# KiCad board LED_Addrs.kicad_pcb (continued)
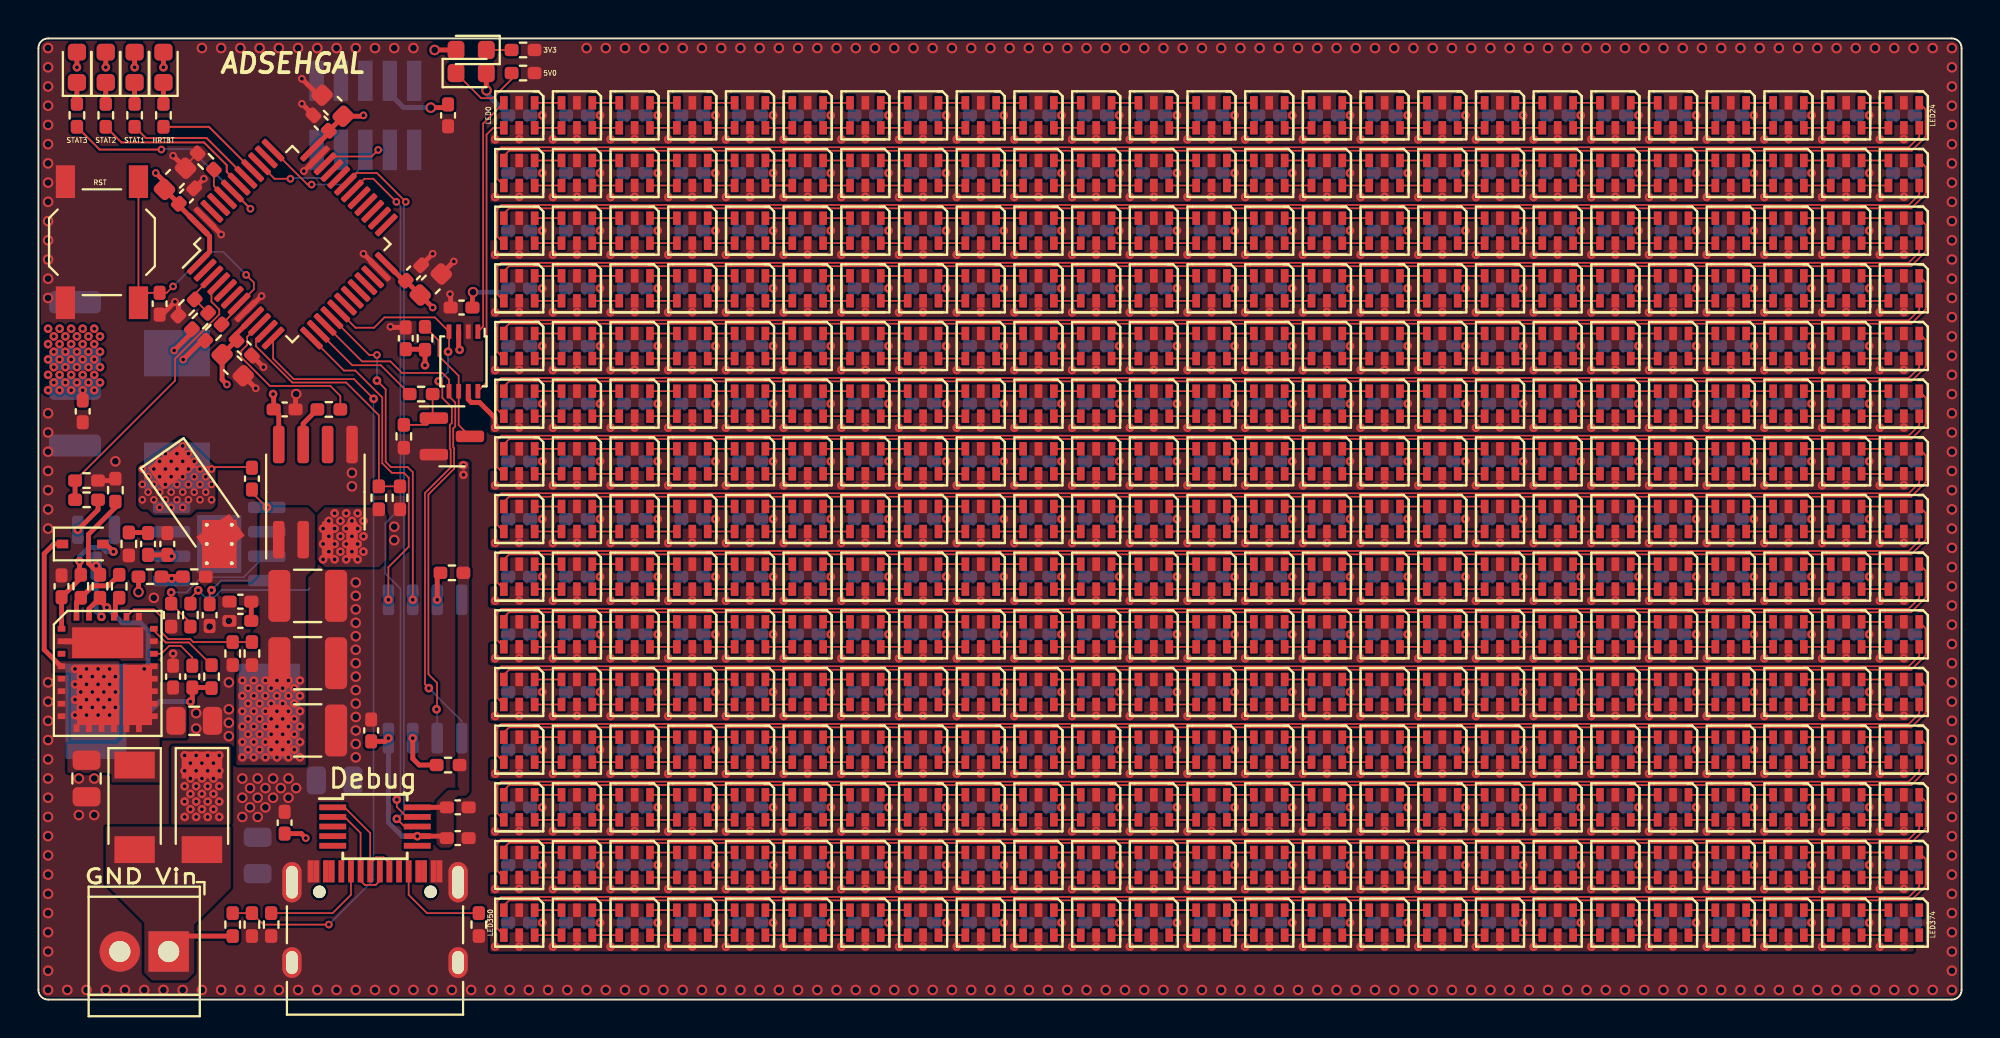
[diagram p0: board, top side]
## Placement (name value [footprint] x y rotation side) (continued)
R26  3K  [R_0402_1005Metric_Pad0.72x0.64mm_HandSolder]  3.2 21.5 270 top
R27  1K  [R_0402_1005Metric_Pad0.72x0.64mm_HandSolder]  10.1 18 90 top
R28  1K  [R_0402_1005Metric_Pad0.72x0.64mm_HandSolder]  4 26.5 270 top
R29  10K  [R_0402_1005Metric_Pad0.72x0.64mm_HandSolder]  2.5 26 180 top
R30  1.21R  [R_0402_1005Metric_Pad0.72x0.64mm_HandSolder]  2.2 21.5 90 top
R31  8K  [R_0402_1005Metric_Pad0.72x0.64mm_HandSolder]  10.1 3.9 270 top
R32  1K  [R_0402_1005Metric_Pad0.72x0.64mm_HandSolder]  17.7 26.1 270 top
R33  10K  [R_0402_1005Metric_Pad0.72x0.64mm_HandSolder]  4.2 21.5 270 top
R34  1K  [R_0402_1005Metric_Pad0.72x0.64mm_HandSolder]  2.5 27 180 top
R35  1K  [R_0402_1005Metric_Pad0.72x0.64mm_HandSolder]  11.1 3.9 90 top
R36  1K  [R_0402_1005Metric_Pad0.72x0.64mm_HandSolder]  18.8 26.1 90 top
R37  330R  [R_0402_1005Metric_Pad0.72x0.64mm_HandSolder]  25.2 48.2 0 top
SW1  SW_Push  [SW_SPST_TL3342]  3.3 39.4 90 top
U1  STM32F103CBTx  [LQFP-48_7x7mm_P0.5mm]  13.2 39.3 45 top
U2  CH340E  [MSOP-10_3x3mm_P0.5mm]  17.5 9 0 top
U3  TXB0102DCU  [VSSOP-8_2.4x2.1mm_P0.5mm]  22.1 33.2 270 top
U4  W25Q128JVS  [SOIC-8_5.23x5.23mm_P1.27mm]  20.1 17.2 270 bottom
U5  TPS54331  [SOIC-8-1EP_3.9x4.9mm_P1.27mm_EP2.29x3mm_ThermalVias]  9.4 23.7 180 bottom
U6  -  [MIC261201]  3.6 17.02 0 top
U7  TMCS1107A2BQDRQ1  [SOIC-8_3.9x4.9mm_P1.27mm]  14.4 26.4 90 top

## Library data of the parts
C399 C400 C413-C415 C418 = -: PN: C3225X5R1A336M200AC
D380 D381 D383 = -: PN: RB080LAM-30TR
D384 = -: PN: SD103AWS
L1 = -: PN: IHLM2525CZER6R8M01
L2 = -: PN: IHLP4040DZER1R0M11

## Footprints (pads in the part's own frame, mm; a bottom-side part is the same pattern mirrored in y, then rotated)
C_0402_1005Metric_Pad0.74x0.62mm_HandSolder
  rrect 0.735x0.62 smd: 1(-0.568,0) 2(0.568,0)
C_0603_1608Metric
  rrect 0.9x0.95 smd: 1(-0.775,0) 2(0.775,0)
C_0805_2012Metric
  rrect 1x1.45 smd: 1(-0.95,0) 2(0.95,0)
C_1210_3225Metric
  rrect 1.15x2.7 smd: 1(-1.475,0) 2(1.475,0)
D_SOD-128
  rect 1.4x2.1 smd: 1(-2.2,0) 2(2.2,0)
D_SOD-323
  rect 0.6x0.45 smd: 1(-1.05,0) 2(1.05,0)
L_Vishay_IHLP-2525
  rect 2.413x3.429 smd: 1(-2.921,0) 2(2.921,0)
L_Vishay_IHLP-4040
  rect 3.175x4.95 smd: 1(-4.508,0) 2(4.508,0)
LED_0603_1608Metric
  rrect 0.875x0.95 smd: 1(-0.787,0) 2(0.787,0)
LQFP-48_7x7mm_P0.5mm
  rrect 1.475x0.3 smd: 1(-4.162,2.75) 2(-4.162,2.25) 3(-4.162,1.75) 4(-4.162,1.25) 5(-4.162,0.75) 6(-4.162,0.25) 7(-4.162,-0.25) 8(-4.162,-0.75) 9(-4.162,-1.25) 10(-4.162,-1.75) 11(-4.162,-2.25) 12(-4.162,-2.75) 25(4.162,-2.75) 26(4.162,-2.25) 27(4.162,-1.75) 28(4.162,-1.25) 29(4.162,-0.75) 30(4.162,-0.25) 31(4.162,0.25) 32(4.162,0.75) 33(4.162,1.25) 34(4.162,1.75) 35(4.162,2.25) 36(4.162,2.75)
  rrect 0.3x1.475 smd: 13(-2.75,-4.162) 14(-2.25,-4.162) 15(-1.75,-4.162) 16(-1.25,-4.162) 17(-0.75,-4.162) 18(-0.25,-4.162) 19(0.25,-4.162) 20(0.75,-4.162) 21(1.25,-4.162) 22(1.75,-4.162) 23(2.25,-4.162) 24(2.75,-4.162) 37(2.75,4.162) 38(2.25,4.162) 39(1.75,4.162) 40(1.25,4.162) 41(0.75,4.162) 42(0.25,4.162) 43(-0.25,4.162) 44(-0.75,4.162) 45(-1.25,4.162) 46(-1.75,4.162) 47(-2.25,4.162) 48(-2.75,4.162)
MIC261201
  rect 0.4x0.3 smd: 1(-2.4,2.275) 2(-2.4,1.625) 3(-2.4,0.975) 4(-2.4,0.325) 5(-2.4,-0.325) 6(-2.4,-0.975) 7(-2.4,-1.625) 8(-2.4,-2.275) 15(2.4,-2.275) 16(2.4,-1.625) 17(2.4,-0.975) 18(2.4,-0.325) 19(2.4,0.325) 20(2.4,0.975) 21(2.4,1.625) 22(2.4,2.275)
  custom 4.105x1.6 smd: 2(0,1.55)
  rect 0.3x0.4 smd: 9(-1.625,-2.9) 10(-0.975,-2.9) 11(-0.325,-2.9) 12(0.325,-2.9) 13(0.975,-2.9) 14(1.625,-2.9) 23(1.625,2.9) 24(0.975,2.9) 25(0.325,2.9) 26(-0.325,2.9) 27(-0.975,2.9) 28(-1.625,2.9)
  custom 2.21x3.135 smd: 9(-0.5,-1.015)
  custom 1.51x3.14 smd: 13(1.4,-1.015)
MSOP-10_3x3mm_P0.5mm
  rect 1.4x0.3 smd: 1(-2.2,1) 2(-2.2,0.5) 3(-2.2,0) 4(-2.2,-0.5) 5(-2.2,-1) 6(2.2,-1) 7(2.2,-0.5) 8(2.2,0) 9(2.2,0.5) 10(2.2,1)
PinSocket_2x05_P1.27mm_Vertical_SMD
  rect 2.1x0.75 smd: 1(1.8,2.54) 2(-1.8,2.54) 3(1.8,1.27) 4(-1.8,1.27) 5(1.8,0) 6(-1.8,0) 7(1.8,-1.27) 8(-1.8,-1.27) 9(1.8,-2.54) 10(-1.8,-2.54)
R_0402_1005Metric_Pad0.72x0.64mm_HandSolder
  rrect 0.715x0.64 smd: 1(-0.598,0) 2(0.598,0)
SK9822_2020
  rect 0.7x0.4 smd: 1(-0.65,0.8) 2(-0.65,0) 3(-0.65,-0.8) 4(0.65,-0.8) 5(0.65,0) 6(0.65,0.8)
SOIC-8-1EP_3.9x4.9mm_P1.27mm_EP2.29x3mm_ThermalVias
  rrect 0.96x1.25 smd: (-0.57,-0.75) (-0.57,0.75) (0.57,-0.75) (0.57,0.75)
  rrect 1.95x0.6 smd: 1(-2.475,1.905) 2(-2.475,0.635) 3(-2.475,-0.635) 4(-2.475,-1.905) 5(2.475,-1.905) 6(2.475,-0.635) 7(2.475,0.635) 8(2.475,1.905)
  round 0.5 hole 0.2: 9(-0.65,-1) 9(-0.65,0) 9(-0.65,1) 9(0.65,-1) 9(0.65,0) 9(0.65,1)
  rect 1.8x2.5 smd far side: 9(0,0)
  rect 2.29x3 smd: 9(0,0)
SOIC-8_3.9x4.9mm_P1.27mm
  rrect 1.95x0.6 smd: 1(-2.475,1.905) 2(-2.475,0.635) 3(-2.475,-0.635) 4(-2.475,-1.905) 5(2.475,-1.905) 6(2.475,-0.635) 7(2.475,0.635) 8(2.475,1.905)
SOIC-8_5.23x5.23mm_P1.27mm
  rrect 1.6x0.6 smd: 1(-3.6,1.905) 2(-3.6,0.635) 3(-3.6,-0.635) 4(-3.6,-1.905) 5(3.6,-1.905) 6(3.6,-0.635) 7(3.6,0.635) 8(3.6,1.905)
SOT-23
  rrect 1.475x0.6 smd: 1(-0.938,0.95) 2(-0.938,-0.95) 3(0.938,0)
SW_SPST_TL3342
  rect 1.7x1 smd: 1(-3.15,1.9) 1(3.15,1.9) 2(-3.15,-1.9) 2(3.15,-1.9)
TerminalBlock_TE_282834-2_1x02_P2.54mm_Horizontal
  rect 2.1x2.1 hole 1.1: 1(0,0)
  round 2.1 hole 1.1: 2(2.54,0)
USB_C_Receptacle_XKB_U262-16XN-4BVC11
  round 0.65 hole 0.65 unplated: (-2.89,2.605) (2.89,2.605)
  rect 0.3x1.15 smd: A1(-3.35,3.67) A4(-2.55,3.67) A5(-1.25,3.67) A6(-0.25,3.67) A7(0.25,3.67) A8(1.25,3.67) A9(2.55,3.67) A12(3.35,3.67) B1(3.05,3.67) B4(2.25,3.67) B5(1.75,3.67) B6(0.75,3.67) B7(-0.75,3.67) B8(-1.75,3.67) B9(-2.25,3.67) B12(-3.05,3.67)
  oval 1x2.1 hole 0.6x1.7: S1(-4.32,3.105) S1(4.32,3.105)
  oval 1x1.6 hole 0.6x1.2: S1(-4.32,-1.075) S1(4.32,-1.075)
VSSOP-8_2.4x2.1mm_P0.5mm
  rect 0.75x0.25 smd: 1(-1.55,0.75) 2(-1.55,0.25) 3(-1.55,-0.25) 4(-1.55,-0.75) 5(1.55,-0.75) 6(1.55,-0.25) 7(1.55,0.25) 8(1.55,0.75)

## Nets
+3V3: C376.2 C377.2 C378.2 C379.2 C380.2 C381.2 C382.2 C383.2 C388.2 C393.2 C394.2 C395.1 C397.2 C399.2 C400.2 C401.2 C408.1 D376.2 D377.2 D378.2 D379.2 D382.2 J1.3 L1.2 R1.1 R2.1 R12.2 R15.2 R16.2 R17.2 U1.1 U1.9 U1.24 U1.36 U1.48 U2.7 U2.10 U3.3 U4.8 U7.8
+5V: C1.2 C2.2 C3.2 C4.2 C5.2 C6.2 C7.2 C8.2 C9.2 C10.2 C11.2 C12.2 C13.2 C14.2 C15.2 C16.2 C17.2 C18.2 C19.2 C20.2 C21.2 C22.2 C23.2 C24.2 C25.2 C26.2 C27.2 C28.2 C29.2 C30.2 C31.2 C32.2 C33.2 C34.2 C35.2 C36.2 C37.2 C38.2 C39.2 C40.2 C41.2 C42.2 C43.2 C44.2 C45.2 C46.2 C47.2 C48.2 C49.2 C50.2 C51.2 C52.2 C53.2 C54.2 C55.2 C56.2 C57.2 C58.2 C59.2 C60.2 C61.2 C62.2 C63.2 C64.2 C65.2 C66.2 C67.2 C68.2 C69.2 C70.2 C71.2 C72.2 C73.2 C74.2 C75.2 C76.2 C77.2 C78.2 C79.2 C80.2 C81.2 C82.2 C83.2 C84.2 C85.2 C86.2 C87.2 C88.2 C89.2 C90.2 C91.2 C92.2 C93.2 C94.2 C95.2 C96.2 C97.2 C98.2 C99.2 C100.2 C101.2 C102.2 C103.2 C104.2 C105.2 C106.2 C107.2 C108.2 C109.2 C110.2 C111.2 C112.2 C113.2 C114.2 C115.2 C116.2 C117.2 C118.2 C119.2 C120.2 C121.2 C122.2 C123.2 C124.2 C125.2 C126.2 C127.2 C128.2 C129.2 C130.2 C131.2 C132.2 C133.2 C134.2 C135.2 C136.2 C137.2 C138.2 C139.2 C140.2 C141.2 C142.2 C143.2 C144.2 C145.2 C146.2 C147.2 C148.2 C149.2 C150.2 C151.2 C152.2 C153.2 C154.2 C155.2 C156.2 C157.2 C158.2 C159.2 C160.2 C161.2 C162.2 C163.2 C164.2 C165.2 C166.2 C167.2 C168.2 C169.2 C170.2 C171.2 C172.2 C173.2 C174.2 C175.2 C176.2 C177.2 C178.2 C179.2 C180.2 C181.2 C182.2 C183.2 C184.2 C185.2 C186.2 C187.2 C188.2 C189.2 C190.2 C191.2 C192.2 C193.2 C194.2 C195.2 C196.2 C197.2 C198.2 C199.2 C200.2 C201.2 C202.2 C203.2 C204.2 C205.2 C206.2 C207.2 C208.2 C209.2 C210.2 C211.2 C212.2 C213.2 C214.2 C215.2 C216.2 C217.2 C218.2 C219.2 C220.2 C221.2 C222.2 C223.2 C224.2 C225.2 C226.2 C227.2 C228.2 C229.2 C230.2 C231.2 C232.2 C233.2 C234.2 C235.2 C236.2 C237.2 C238.2 C239.2 C240.2 C241.2 C242.2 C243.2 C244.2 C245.2 C246.2 C247.2 C248.2 C249.2 C250.2 C251.2 C252.2 C253.2 C254.2 C255.2 C256.2 C257.2 C258.2 C259.2 C260.2 C261.2 C262.2 C263.2 C264.2 C265.2 C266.2 C267.2 C268.2 C269.2 C270.2 C271.2 C272.2 C273.2 C274.2 C275.2 C276.2 C277.2 C278.2 C279.2 C280.2 C281.2 C282.2 C283.2 C284.2 C285.2 C286.2 C287.2 C288.2 C289.2 C290.2 C291.2 C292.2 C293.2 C294.2 C295.2 C296.2 C297.2 C298.2 C299.2 C300.2 C301.2 C302.2 C303.2 C304.2 C305.2 C306.2 C307.2 C308.2 C309.2 C310.2 C311.2 C312.2 C313.2 C314.2 C315.2 C316.2 C317.2 C318.2 C319.2 C320.2 C321.2 C322.2 C323.2 C324.2 C325.2 C326.2 C327.2 C328.2 C329.2 C330.2 C331.2 C332.2 C333.2 C334.2 C335.2 C336.2 C337.2 C338.2 C339.2 C340.2 C341.2 C342.2 C343.2 C344.2 C345.2 C346.2 C347.2 C348.2 C349.2 C350.2 C351.2 C352.2 C353.2 C354.2 C355.2 C356.2 C357.2 C358.2 C359.2 C360.2 C361.2 C362.2 C363.2 C364.2 C365.2 C366.2 C367.2 C368.2 C369.2 C370.2 C371.2 C372.2 C373.2 C374.2 C375.2 C396.2 D1.5 D2.5 D3.5 D4.5 D5.5 D6.5 D7.5 D8.5 D9.5 D10.5 D11.5 D12.5 D13.5 D14.5 D15.5 D16.5 D17.5 D18.5 D19.5 D20.5 D21.5 D22.5 D23.5 D24.5 D25.5 D26.5 D27.5 D28.5 D29.5 D30.5 D31.5 D32.5 D33.5 D34.5 D35.5 D36.5 D37.5 D38.5 D39.5 D40.5 D41.5 D42.5 D43.5 D44.5 D45.5 D46.5 D47.5 D48.5 D49.5 D50.5 D51.5 D52.5 D53.5 D54.5 D55.5 D56.5 D57.5 D58.5 D59.5 D60.5 D61.5 D62.5 D63.5 D64.5 D65.5 D66.5 D67.5 D68.5 D69.5 D70.5 D71.5 D72.5 D73.5 D74.5 D75.5 D76.5 D77.5 D78.5 D79.5 D80.5 D81.5 D82.5 D83.5 D84.5 D85.5 D86.5 D87.5 D88.5 D89.5 D90.5 D91.5 D92.5 D93.5 D94.5 D95.5 D96.5 D97.5 D98.5 D99.5 D100.5 D101.5 D102.5 D103.5 D104.5 D105.5 D106.5 D107.5 D108.5 D109.5 D110.5 D111.5 D112.5 D113.5 D114.5 D115.5 D116.5 D117.5 D118.5 D119.5 D120.5 D121.5 D122.5 D123.5 D124.5 D125.5 D126.5 D127.5 D128.5 D129.5 D130.5 D131.5 D132.5 D133.5 D134.5 D135.5 D136.5 D137.5 D138.5 D139.5 D140.5 D141.5 D142.5 D143.5 D144.5 D145.5 D146.5 D147.5 D148.5 D149.5 D150.5 D151.5 D152.5 D153.5 D154.5 D155.5 D156.5 D157.5 D158.5 D159.5 D160.5 D161.5 D162.5 D163.5 D164.5 D165.5 D166.5 D167.5 D168.5 D169.5 D170.5 D171.5 D172.5 D173.5 D174.5 D175.5 D176.5 D177.5 D178.5 D179.5 D180.5 D181.5 D182.5 D183.5 D184.5 D185.5 D186.5 D187.5 D188.5 D189.5 D190.5 D191.5 D192.5 D193.5 D194.5 D195.5 D196.5 D197.5 D198.5 D199.5 D200.5 D201.5 D202.5 D203.5 D204.5 D205.5 D206.5 D207.5 D208.5 D209.5 D210.5 D211.5 D212.5 D213.5 D214.5 D215.5 D216.5 D217.5 D218.5 D219.5 D220.5 D221.5 D222.5 D223.5 D224.5 D225.5 D226.5 D227.5 D228.5 D229.5 D230.5 D231.5 D232.5 D233.5 D234.5 D235.5 D236.5 D237.5 D238.5 D239.5 D240.5 D241.5 D242.5 D243.5 D244.5 D245.5 D246.5 D247.5 D248.5 D249.5 D250.5 D251.5 D252.5 D253.5 D254.5 D255.5 D256.5 D257.5 D258.5 D259.5 D260.5 D261.5 D262.5 D263.5 D264.5 D265.5 D266.5 D267.5 D268.5 D269.5 D270.5 D271.5 D272.5 D273.5 D274.5 D275.5 D276.5 D277.5 D278.5 D279.5 D280.5 D281.5 D282.5 D283.5 D284.5 D285.5 D286.5 D287.5 D288.5 D289.5 D290.5 D291.5 D292.5 D293.5 D294.5 D295.5 D296.5 D297.5 D298.5 D299.5 D300.5 D301.5 D302.5 D303.5 D304.5 D305.5 D306.5 D307.5 D308.5 D309.5 D310.5 D311.5 D312.5 D313.5 D314.5 D315.5 D316.5 D317.5 D318.5 D319.5 D320.5 D321.5 D322.5 D323.5 D324.5 D325.5 D326.5 D327.5 D328.5 D329.5 D330.5 D331.5 D332.5 D333.5 D334.5 D335.5 D336.5 D337.5 D338.5 D339.5 D340.5 D341.5 D342.5 D343.5 D344.5 D345.5 D346.5 D347.5 D348.5 D349.5 D350.5 D351.5 D352.5 D353.5 D354.5 D355.5 D356.5 D357.5 D358.5 D359.5 D360.5 D361.5 D362.5 D363.5 D364.5 D365.5 D366.5 D367.5 D368.5 D369.5 D370.5 D371.5 D372.5 D373.5 D374.5 D375.5 D385.2 R32.2 U3.7 U7.3 U7.4
/PWR/5V_VDD: R30.1 R33.1 U6.28
/PWR/PVDD_5V: C418.2 D384.2 R30.2 U6.1
GND: C1.1 C2.1 C3.1 C4.1 C5.1 C6.1 C7.1 C8.1 C9.1 C10.1 C11.1 C12.1 C13.1 C14.1 C15.1 C16.1 C17.1 C18.1 C19.1 C20.1 C21.1 C22.1 C23.1 C24.1 C25.1 C26.1 C27.1 C28.1 C29.1 C30.1 C31.1 C32.1 C33.1 C34.1 C35.1 C36.1 C37.1 C38.1 C39.1 C40.1 C41.1 C42.1 C43.1 C44.1 C45.1 C46.1 C47.1 C48.1 C49.1 C50.1 C51.1 C52.1 C53.1 C54.1 C55.1 C56.1 C57.1 C58.1 C59.1 C60.1 C61.1 C62.1 C63.1 C64.1 C65.1 C66.1 C67.1 C68.1 C69.1 C70.1 C71.1 C72.1 C73.1 C74.1 C75.1 C76.1 C77.1 C78.1 C79.1 C80.1 C81.1 C82.1 C83.1 C84.1 C85.1 C86.1 C87.1 C88.1 C89.1 C90.1 C91.1 C92.1 C93.1 C94.1 C95.1 C96.1 C97.1 C98.1 C99.1 C100.1 C101.1 C102.1 C103.1 C104.1 C105.1 C106.1 C107.1 C108.1 C109.1 C110.1 C111.1 C112.1 C113.1 C114.1 C115.1 C116.1 C117.1 C118.1 C119.1 C120.1 C121.1 C122.1 C123.1 C124.1 C125.1 C126.1 C127.1 C128.1 C129.1 C130.1 C131.1 C132.1 C133.1 C134.1 C135.1 C136.1 C137.1 C138.1 C139.1 C140.1 C141.1 C142.1 C143.1 C144.1 C145.1 C146.1 C147.1 C148.1 C149.1 C150.1 C151.1 C152.1 C153.1 C154.1 C155.1 C156.1 C157.1 C158.1 C159.1 C160.1 C161.1 C162.1 C163.1 C164.1 C165.1 C166.1 C167.1 C168.1 C169.1 C170.1 C171.1 C172.1 C173.1 C174.1 C175.1 C176.1 C177.1 C178.1 C179.1 C180.1 C181.1 C182.1 C183.1 C184.1 C185.1 C186.1 C187.1 C188.1 C189.1 C190.1 C191.1 C192.1 C193.1 C194.1 C195.1 C196.1 C197.1 C198.1 C199.1 C200.1 C201.1 C202.1 C203.1 C204.1 C205.1 C206.1 C207.1 C208.1 C209.1 C210.1 C211.1 C212.1 C213.1 C214.1 C215.1 C216.1 C217.1 C218.1 C219.1 C220.1 C221.1 C222.1 C223.1 C224.1 C225.1 C226.1 C227.1 C228.1 C229.1 C230.1 C231.1 C232.1 C233.1 C234.1 C235.1 C236.1 C237.1 C238.1 C239.1 C240.1 C241.1 C242.1 C243.1 C244.1 C245.1 C246.1 C247.1 C248.1 C249.1 C250.1 C251.1 C252.1 C253.1 C254.1 C255.1 C256.1 C257.1 C258.1 C259.1 C260.1 C261.1 C262.1 C263.1 C264.1 C265.1 C266.1 C267.1 C268.1 C269.1 C270.1 C271.1 C272.1 C273.1 C274.1 C275.1 C276.1 C277.1 C278.1 C279.1 C280.1 C281.1 C282.1 C283.1 C284.1 C285.1 C286.1 C287.1 C288.1 C289.1 C290.1 C291.1 C292.1 C293.1 C294.1 C295.1 C296.1 C297.1 C298.1 C299.1 C300.1 C301.1 C302.1 C303.1 C304.1 C305.1 C306.1 C307.1 C308.1 C309.1 C310.1 C311.1 C312.1 C313.1 C314.1 C315.1 C316.1 C317.1 C318.1 C319.1 C320.1 C321.1 C322.1 C323.1 C324.1 C325.1 C326.1 C327.1 C328.1 C329.1 C330.1 C331.1 C332.1 C333.1 C334.1 C335.1 C336.1 C337.1 C338.1 C339.1 C340.1 C341.1 C342.1 C343.1 C344.1 C345.1 C346.1 C347.1 C348.1 C349.1 C350.1 C351.1 C352.1 C353.1 C354.1 C355.1 C356.1 C357.1 C358.1 C359.1 C360.1 C361.1 C362.1 C363.1 C364.1 C365.1 C366.1 C367.1 C368.1 C369.1 C370.1 C371.1 C372.1 C373.1 C374.1 C375.1 C376.1 C377.1 C378.1 C379.1 C380.1 C381.1 C382.1 C383.1 C384.1 C388.1 C393.1 C394.1 C395.2 C396.1 C397.1 C399.1 C400.1 C401.1 C402.1 C403.1 C404.1 C405.1 C407.1 C408.2 C409.1 C410.1 C411.1 C413.1 C414.1 C415.1 C416.1 C417.1 C418.1 D1.2 D2.2 D3.2 D4.2 D5.2 D6.2 D7.2 D8.2 D9.2 D10.2 D11.2 D12.2 D13.2 D14.2 D15.2 D16.2 D17.2 D18.2 D19.2 D20.2 D21.2 D22.2 D23.2 D24.2 D25.2 D26.2 D27.2 D28.2 D29.2 D30.2 D31.2 D32.2 D33.2 D34.2 D35.2 D36.2 D37.2 D38.2 D39.2 D40.2 D41.2 D42.2 D43.2 D44.2 D45.2 D46.2 D47.2 D48.2 D49.2 D50.2 D51.2 D52.2 D53.2 D54.2 D55.2 D56.2 D57.2 D58.2 D59.2 D60.2 D61.2 D62.2 D63.2 D64.2 D65.2 D66.2 D67.2 D68.2 D69.2 D70.2 D71.2 D72.2 D73.2 D74.2 D75.2 D76.2 D77.2 D78.2 D79.2 D80.2 D81.2 D82.2 D83.2 D84.2 D85.2 D86.2 D87.2 D88.2 D89.2 D90.2 D91.2 D92.2 D93.2 D94.2 D95.2 D96.2 D97.2 D98.2 D99.2 D100.2 D101.2 D102.2 D103.2 D104.2 D105.2 D106.2 D107.2 D108.2 D109.2 D110.2 D111.2 D112.2 D113.2 D114.2 D115.2 D116.2 D117.2 D118.2 D119.2 D120.2 D121.2 D122.2 D123.2 D124.2 D125.2 D126.2 D127.2 D128.2 D129.2 D130.2 D131.2 D132.2 D133.2 D134.2 D135.2 D136.2 D137.2 D138.2 D139.2 D140.2 D141.2 D142.2 D143.2 D144.2 D145.2 D146.2 D147.2 D148.2 D149.2 D150.2 D151.2 D152.2 D153.2 D154.2 D155.2 D156.2 D157.2 D158.2 D159.2 D160.2 D161.2 D162.2 D163.2 D164.2 D165.2 D166.2 D167.2 D168.2 D169.2 D170.2 D171.2 D172.2 D173.2 D174.2 D175.2 D176.2 D177.2 D178.2 D179.2 D180.2 D181.2 D182.2 D183.2 D184.2 D185.2 D186.2 D187.2 D188.2 D189.2 D190.2 D191.2 D192.2 D193.2 D194.2 D195.2 D196.2 D197.2 D198.2 D199.2 D200.2 D201.2 D202.2 D203.2 D204.2 D205.2 D206.2 D207.2 D208.2 D209.2 D210.2 D211.2 D212.2 D213.2 D214.2 D215.2 D216.2 D217.2 D218.2 D219.2 D220.2 D221.2 D222.2 D223.2 D224.2 D225.2 D226.2 D227.2 D228.2 D229.2 D230.2 D231.2 D232.2 D233.2 D234.2 D235.2 D236.2 D237.2 D238.2 D239.2 D240.2 D241.2 D242.2 D243.2 D244.2 D245.2 D246.2 D247.2 D248.2 D249.2 D250.2 D251.2 D252.2 D253.2 D254.2 D255.2 D256.2 D257.2 D258.2 D259.2 D260.2 D261.2 D262.2 D263.2 D264.2 D265.2 D266.2 D267.2 D268.2 D269.2 D270.2 D271.2 D272.2 D273.2 D274.2 D275.2 D276.2 D277.2 D278.2 D279.2 D280.2 D281.2 D282.2 D283.2 D284.2 D285.2 D286.2 D287.2 D288.2 D289.2 D290.2 D291.2 D292.2 D293.2 D294.2 D295.2 D296.2 D297.2 D298.2 D299.2 D300.2 D301.2 D302.2 D303.2 D304.2 D305.2 D306.2 D307.2 D308.2 D309.2 D310.2 D311.2 D312.2 D313.2 D314.2 D315.2 D316.2 D317.2 D318.2 D319.2 D320.2 D321.2 D322.2 D323.2 D324.2 D325.2 D326.2 D327.2 D328.2 D329.2 D330.2 D331.2 D332.2 D333.2 D334.2 D335.2 D336.2 D337.2 D338.2 D339.2 D340.2 D341.2 D342.2 D343.2 D344.2 D345.2 D346.2 D347.2 D348.2 D349.2 D350.2 D351.2 D352.2 D353.2 D354.2 D355.2 D356.2 D357.2 D358.2 D359.2 D360.2 D361.2 D362.2 D363.2 D364.2 D365.2 D366.2 D367.2 D368.2 D369.2 D370.2 D371.2 D372.2 D373.2 D374.2 D375.2 D381.2 J1.5 J1.7 J2.A1 J2.A12 J2.B1 J2.B12 J2.S1 J3.2 Q1.2 Q2.2 R7.2 R8.2 R10.2 R11.2 R14.1 R19.1 R20.2 R21.1 R22.1 R27.1 R28.1 R34.1 R35.1 R36.1 R37.2 SW1.1 U1.8 U1.23 U1.35 U1.47 U3.2 U4.4 U5.7 U5.9 U6.2 U6.5 U6.6 U6.7 U6.8 U6.21 U6.23 U7.5
VBUS: J2.A4 J2.A9 J2.B4 J2.B9
/LED_Array/CLK_OUT: D375.6
/LED_Array/DATA_OUT: D375.1
/LED_Array/LED_Row_1/CLK_OUT: D25.6 D26.4
/LED_Array/LED_Row_1/DATA_OUT: D25.1 D26.3
/LED_Array/LED_Row_2/CLK_OUT: D50.6 D51.4
/LED_Array/LED_Row_2/DATA_OUT: D50.1 D51.3
/LED_Array/LED_Row_3/CLK_OUT: D75.6 D76.4
/LED_Array/LED_Row_3/DATA_OUT: D75.1 D76.3
/LED_Array/LED_Row_4/CLK_OUT: D100.6 D101.4
/LED_Array/LED_Row_4/DATA_OUT: D100.1 D101.3
/LED_Array/LED_Row_5/CLK_OUT: D125.6 D126.4
/LED_Array/LED_Row_5/DATA_OUT: D125.1 D126.3
/LED_Array/LED_Row_6/CLK_OUT: D150.6 D151.4
/LED_Array/LED_Row_6/DATA_OUT: D150.1 D151.3
/LED_Array/LED_Row_7/CLK_OUT: D175.6 D176.4
/LED_Array/LED_Row_7/DATA_OUT: D175.1 D176.3
/LED_Array/LED_Row_8/CLK_OUT: D200.6 D201.4
/LED_Array/LED_Row_8/DATA_OUT: D200.1 D201.3
/LED_Array/LED_Row_10/CLK_IN: D225.6 D226.4
/LED_Array/LED_Row_10/CLK_OUT: D250.6 D251.4
/LED_Array/LED_Row_10/DATA_IN: D225.1 D226.3
/LED_Array/LED_Row_10/DATA_OUT: D250.1 D251.3
/LED_Array/LED_Row_11/CLK_OUT: D275.6 D276.4
/LED_Array/LED_Row_11/DATA_OUT: D275.1 D276.3
/LED_Array/LED_Row_12/CLK_OUT: D300.6 D301.4
/LED_Array/LED_Row_12/DATA_OUT: D300.1 D301.3
/LED_Array/LED_Row_13/CLK_OUT: D325.6 D326.4
/LED_Array/LED_Row_13/DATA_OUT: D325.1 D326.3
/LED_Array/LED_Row_14/CLK_OUT: D350.6 D351.4
/LED_Array/LED_Row_14/DATA_OUT: D350.1 D351.3
/MCU/BOOT0: R8.1 U1.44
/MCU/DBG_RX: U1.31 U2.8
/MCU/DBG_TX: U1.30 U2.9
/MCU/I_5V_SNS: R23.1 U1.10
/MCU/n5V_EN: R29.2 R34.2 U1.4
/MCU/nHEARTBEAT: R3.2 U1.40
/MCU/nRST: C384.2 R2.2 SW1.2 U1.7
/MCU/nSTAT_LED1: R4.2 U1.41
/MCU/nSTAT_LED2: R5.2 U1.42
/MCU/nSTAT_LED3: R6.2 U1.43
/MCU/SWCLK: J1.6 U1.37
/MCU/SWDIO: J1.4 U1.34
/MCU/SWO: J1.8 U1.39
/MCU/USB_D+: J2.A6 J2.B6 U2.1
/MCU/USB_D-: J2.A7 J2.B7 U2.2
/MCU/V_5V_SNS: R32.1 R36.2 U1.11
/MCU/V_DC_SNS: R31.1 R35.2 U1.12
/MCU/VERSION: R1.2 R7.1 U1.3
/PWR/SW_3V3: C398.1 D381.1 L1.1 U5.8
/PWR/SW_5V: C412.1 D384.1 L2.1 R24.1 U6.4 U6.9 U6.10 U6.11 U6.12
/PWR/SW_5V_L: C413.2 C414.2 C415.2 C416.2 C417.2 L2.2 R25.2 U7.1 U7.2
/PWR/V_DC_D_3V3: C402.2 C403.2 C404.2 D380.1 R18.2 U5.2
/PWR/V_DC_D_5V: C409.2 C410.2 C411.2 D383.1 R26.2 U6.13 U6.14 U6.15 U6.16 U6.17 U6.18 U6.19 U6.27
/SPI1_FLASH_CS: U1.13 U4.1
/SPI1_LED_CS: R13.2 U1.14
/SPI1_MISO: U1.16 U4.2
/SPI1_MOSI: U1.17 U3.4 U4.5
/SPI1_MOSI_5V: D1.3 U3.1
/SPI1_SCK: U1.15 U3.5 U4.6
/SPI1_SCK_5V: D1.4 U3.8
VDC: D380.2 D383.2 J3.1 R31.2
Net-(C398-Pad2): C398.2 U5.1
Net-(C405-Pad2): C405.2 U5.4
Net-(C406-Pad1): C406.1 R22.2
Net-(C406-Pad2): C406.2 C407.2 U5.6
Net-(C412-Pad2): C412.2 U6.20
Net-(D1-Pad1): D1.1 D2.3
Net-(D1-Pad6): D1.6 D2.4
Net-(D2-Pad1): D2.1 D3.3
Net-(D2-Pad6): D2.6 D3.4
Net-(D3-Pad1): D3.1 D4.3
Net-(D3-Pad6): D3.6 D4.4
Net-(D4-Pad1): D4.1 D5.3
Net-(D4-Pad6): D4.6 D5.4
Net-(D5-Pad1): D5.1 D6.3
Net-(D5-Pad6): D5.6 D6.4
Net-(D6-Pad1): D6.1 D7.3
Net-(D6-Pad6): D6.6 D7.4
Net-(D7-Pad1): D7.1 D8.3
Net-(D7-Pad6): D7.6 D8.4
Net-(D8-Pad1): D8.1 D9.3
Net-(D8-Pad6): D8.6 D9.4
Net-(D10-Pad1): D10.1 D11.3
Net-(D10-Pad3): D9.1 D10.3
Net-(D10-Pad4): D9.6 D10.4
Net-(D10-Pad6): D10.6 D11.4
Net-(D11-Pad1): D11.1 D12.3
Net-(D11-Pad6): D11.6 D12.4
Net-(D12-Pad1): D12.1 D13.3
Net-(D12-Pad6): D12.6 D13.4
Net-(D13-Pad1): D13.1 D14.3
Net-(D13-Pad6): D13.6 D14.4
Net-(D14-Pad1): D14.1 D15.3
Net-(D14-Pad6): D14.6 D15.4
Net-(D15-Pad1): D15.1 D16.3
Net-(D15-Pad6): D15.6 D16.4
Net-(D16-Pad1): D16.1 D17.3
Net-(D16-Pad6): D16.6 D17.4
Net-(D17-Pad1): D17.1 D18.3
Net-(D17-Pad6): D17.6 D18.4
Net-(D18-Pad1): D18.1 D19.3
Net-(D18-Pad6): D18.6 D19.4
Net-(D19-Pad1): D19.1 D20.3
Net-(D19-Pad6): D19.6 D20.4
Net-(D20-Pad1): D20.1 D21.3
Net-(D20-Pad6): D20.6 D21.4
Net-(D21-Pad1): D21.1 D22.3
Net-(D21-Pad6): D21.6 D22.4
Net-(D22-Pad1): D22.1 D23.3
Net-(D22-Pad6): D22.6 D23.4
Net-(D23-Pad1): D23.1 D24.3
Net-(D23-Pad6): D23.6 D24.4
Net-(D24-Pad1): D24.1 D25.3
Net-(D24-Pad6): D24.6 D25.4
Net-(D26-Pad1): D26.1 D27.3
Net-(D26-Pad6): D26.6 D27.4
Net-(D27-Pad1): D27.1 D28.3
Net-(D27-Pad6): D27.6 D28.4
Net-(D28-Pad1): D28.1 D29.3
Net-(D28-Pad6): D28.6 D29.4
Net-(D29-Pad1): D29.1 D30.3
Net-(D29-Pad6): D29.6 D30.4
Net-(D30-Pad1): D30.1 D31.3
Net-(D30-Pad6): D30.6 D31.4
Net-(D31-Pad1): D31.1 D32.3
Net-(D31-Pad6): D31.6 D32.4
Net-(D32-Pad1): D32.1 D33.3
Net-(D32-Pad6): D32.6 D33.4
Net-(D33-Pad1): D33.1 D34.3
Net-(D33-Pad6): D33.6 D34.4
Net-(D34-Pad1): D34.1 D35.3
Net-(D34-Pad6): D34.6 D35.4
Net-(D35-Pad1): D35.1 D36.3
Net-(D35-Pad6): D35.6 D36.4
Net-(D36-Pad1): D36.1 D37.3
Net-(D36-Pad6): D36.6 D37.4
Net-(D37-Pad1): D37.1 D38.3
Net-(D37-Pad6): D37.6 D38.4
Net-(D38-Pad1): D38.1 D39.3
Net-(D38-Pad6): D38.6 D39.4
Net-(D39-Pad1): D39.1 D40.3
Net-(D39-Pad6): D39.6 D40.4
Net-(D40-Pad1): D40.1 D41.3
Net-(D40-Pad6): D40.6 D41.4
Net-(D41-Pad1): D41.1 D42.3
Net-(D41-Pad6): D41.6 D42.4
Net-(D42-Pad1): D42.1 D43.3
Net-(D42-Pad6): D42.6 D43.4
Net-(D43-Pad1): D43.1 D44.3
Net-(D43-Pad6): D43.6 D44.4
Net-(D44-Pad1): D44.1 D45.3
Net-(D44-Pad6): D44.6 D45.4
Net-(D45-Pad1): D45.1 D46.3
Net-(D45-Pad6): D45.6 D46.4
Net-(D46-Pad1): D46.1 D47.3
Net-(D46-Pad6): D46.6 D47.4
Net-(D47-Pad1): D47.1 D48.3
Net-(D47-Pad6): D47.6 D48.4
Net-(D48-Pad1): D48.1 D49.3
Net-(D48-Pad6): D48.6 D49.4
Net-(D49-Pad1): D49.1 D50.3
Net-(D49-Pad6): D49.6 D50.4
Net-(D51-Pad1): D51.1 D52.3
Net-(D51-Pad6): D51.6 D52.4
Net-(D52-Pad1): D52.1 D53.3
Net-(D52-Pad6): D52.6 D53.4
Net-(D53-Pad1): D53.1 D54.3
Net-(D53-Pad6): D53.6 D54.4
Net-(D54-Pad1): D54.1 D55.3
Net-(D54-Pad6): D54.6 D55.4
Net-(D55-Pad1): D55.1 D56.3
Net-(D55-Pad6): D55.6 D56.4
Net-(D56-Pad1): D56.1 D57.3
Net-(D56-Pad6): D56.6 D57.4
Net-(D57-Pad1): D57.1 D58.3
Net-(D57-Pad6): D57.6 D58.4
Net-(D58-Pad1): D58.1 D59.3
Net-(D58-Pad6): D58.6 D59.4
Net-(D59-Pad1): D59.1 D60.3
Net-(D59-Pad6): D59.6 D60.4
Net-(D60-Pad1): D60.1 D61.3
Net-(D60-Pad6): D60.6 D61.4
Net-(D61-Pad1): D61.1 D62.3
Net-(D61-Pad6): D61.6 D62.4
Net-(D62-Pad1): D62.1 D63.3
Net-(D62-Pad6): D62.6 D63.4
Net-(D63-Pad1): D63.1 D64.3
Net-(D63-Pad6): D63.6 D64.4
Net-(D64-Pad1): D64.1 D65.3
Net-(D64-Pad6): D64.6 D65.4
Net-(D65-Pad1): D65.1 D66.3
Net-(D65-Pad6): D65.6 D66.4
Net-(D66-Pad1): D66.1 D67.3
Net-(D66-Pad6): D66.6 D67.4
Net-(D67-Pad1): D67.1 D68.3
Net-(D67-Pad6): D67.6 D68.4
Net-(D68-Pad1): D68.1 D69.3
Net-(D68-Pad6): D68.6 D69.4
Net-(D69-Pad1): D69.1 D70.3
Net-(D69-Pad6): D69.6 D70.4
Net-(D70-Pad1): D70.1 D71.3
Net-(D70-Pad6): D70.6 D71.4
Net-(D71-Pad1): D71.1 D72.3
Net-(D71-Pad6): D71.6 D72.4
Net-(D72-Pad1): D72.1 D73.3
Net-(D72-Pad6): D72.6 D73.4
Net-(D73-Pad1): D73.1 D74.3
Net-(D73-Pad6): D73.6 D74.4
Net-(D74-Pad1): D74.1 D75.3
Net-(D74-Pad6): D74.6 D75.4
Net-(D76-Pad1): D76.1 D77.3
Net-(D76-Pad6): D76.6 D77.4
Net-(D77-Pad1): D77.1 D78.3
Net-(D77-Pad6): D77.6 D78.4
Net-(D78-Pad1): D78.1 D79.3
Net-(D78-Pad6): D78.6 D79.4
Net-(D79-Pad1): D79.1 D80.3
Net-(D79-Pad6): D79.6 D80.4
Net-(D80-Pad1): D80.1 D81.3
Net-(D80-Pad6): D80.6 D81.4
Net-(D81-Pad1): D81.1 D82.3
Net-(D81-Pad6): D81.6 D82.4
Net-(D82-Pad1): D82.1 D83.3
Net-(D82-Pad6): D82.6 D83.4
Net-(D83-Pad1): D83.1 D84.3
Net-(D83-Pad6): D83.6 D84.4
Net-(D84-Pad1): D84.1 D85.3
Net-(D84-Pad6): D84.6 D85.4
Net-(D85-Pad1): D85.1 D86.3
Net-(D85-Pad6): D85.6 D86.4
Net-(D86-Pad1): D86.1 D87.3
Net-(D86-Pad6): D86.6 D87.4
Net-(D87-Pad1): D87.1 D88.3
Net-(D87-Pad6): D87.6 D88.4
Net-(D88-Pad1): D88.1 D89.3
Net-(D88-Pad6): D88.6 D89.4
Net-(D89-Pad1): D89.1 D90.3
Net-(D89-Pad6): D89.6 D90.4
Net-(D90-Pad1): D90.1 D91.3
Net-(D90-Pad6): D90.6 D91.4
Net-(D91-Pad1): D91.1 D92.3
Net-(D91-Pad6): D91.6 D92.4
Net-(D92-Pad1): D92.1 D93.3
Net-(D92-Pad6): D92.6 D93.4
Net-(D93-Pad1): D93.1 D94.3
Net-(D93-Pad6): D93.6 D94.4
Net-(D94-Pad1): D94.1 D95.3
Net-(D94-Pad6): D94.6 D95.4
Net-(D95-Pad1): D95.1 D96.3
Net-(D95-Pad6): D95.6 D96.4
Net-(D96-Pad1): D96.1 D97.3
Net-(D96-Pad6): D96.6 D97.4
Net-(D97-Pad1): D97.1 D98.3
Net-(D97-Pad6): D97.6 D98.4
Net-(D98-Pad1): D98.1 D99.3
Net-(D98-Pad6): D98.6 D99.4
Net-(D100-Pad3): D99.1 D100.3
Net-(D100-Pad4): D99.6 D100.4
Net-(D101-Pad1): D101.1 D102.3
Net-(D101-Pad6): D101.6 D102.4
Net-(D102-Pad1): D102.1 D103.3
Net-(D102-Pad6): D102.6 D103.4
Net-(D103-Pad1): D103.1 D104.3
Net-(D103-Pad6): D103.6 D104.4
Net-(D104-Pad1): D104.1 D105.3
Net-(D104-Pad6): D104.6 D105.4
Net-(D105-Pad1): D105.1 D106.3
Net-(D105-Pad6): D105.6 D106.4
Net-(D106-Pad1): D106.1 D107.3
Net-(D106-Pad6): D106.6 D107.4
Net-(D107-Pad1): D107.1 D108.3
Net-(D107-Pad6): D107.6 D108.4
Net-(D108-Pad1): D108.1 D109.3
Net-(D108-Pad6): D108.6 D109.4
Net-(D109-Pad1): D109.1 D110.3
Net-(D109-Pad6): D109.6 D110.4
Net-(D110-Pad1): D110.1 D111.3
Net-(D110-Pad6): D110.6 D111.4
Net-(D111-Pad1): D111.1 D112.3
Net-(D111-Pad6): D111.6 D112.4
Net-(D112-Pad1): D112.1 D113.3
Net-(D112-Pad6): D112.6 D113.4
Net-(D113-Pad1): D113.1 D114.3
Net-(D113-Pad6): D113.6 D114.4
Net-(D114-Pad1): D114.1 D115.3
Net-(D114-Pad6): D114.6 D115.4
Net-(D115-Pad1): D115.1 D116.3
Net-(D115-Pad6): D115.6 D116.4
Net-(D116-Pad1): D116.1 D117.3
Net-(D116-Pad6): D116.6 D117.4
Net-(D117-Pad1): D117.1 D118.3
Net-(D117-Pad6): D117.6 D118.4
Net-(D118-Pad1): D118.1 D119.3
Net-(D118-Pad6): D118.6 D119.4
Net-(D119-Pad1): D119.1 D120.3
Net-(D119-Pad6): D119.6 D120.4
Net-(D120-Pad1): D120.1 D121.3
Net-(D120-Pad6): D120.6 D121.4
Net-(D121-Pad1): D121.1 D122.3
Net-(D121-Pad6): D121.6 D122.4
Net-(D122-Pad1): D122.1 D123.3
Net-(D122-Pad6): D122.6 D123.4
Net-(D123-Pad1): D123.1 D124.3
Net-(D123-Pad6): D123.6 D124.4
Net-(D124-Pad1): D124.1 D125.3
Net-(D124-Pad6): D124.6 D125.4
Net-(D126-Pad1): D126.1 D127.3
Net-(D126-Pad6): D126.6 D127.4
Net-(D127-Pad1): D127.1 D128.3
Net-(D127-Pad6): D127.6 D128.4
Net-(D128-Pad1): D128.1 D129.3
Net-(D128-Pad6): D128.6 D129.4
Net-(D129-Pad1): D129.1 D130.3
Net-(D129-Pad6): D129.6 D130.4
Net-(D130-Pad1): D130.1 D131.3
Net-(D130-Pad6): D130.6 D131.4
Net-(D131-Pad1): D131.1 D132.3
Net-(D131-Pad6): D131.6 D132.4
Net-(D132-Pad1): D132.1 D133.3
Net-(D132-Pad6): D132.6 D133.4
Net-(D133-Pad1): D133.1 D134.3
Net-(D133-Pad6): D133.6 D134.4
Net-(D134-Pad1): D134.1 D135.3
Net-(D134-Pad6): D134.6 D135.4
Net-(D135-Pad1): D135.1 D136.3
Net-(D135-Pad6): D135.6 D136.4
Net-(D136-Pad1): D136.1 D137.3
Net-(D136-Pad6): D136.6 D137.4
Net-(D137-Pad1): D137.1 D138.3
Net-(D137-Pad6): D137.6 D138.4
Net-(D138-Pad1): D138.1 D139.3
Net-(D138-Pad6): D138.6 D139.4
Net-(D139-Pad1): D139.1 D140.3
Net-(D139-Pad6): D139.6 D140.4
Net-(D140-Pad1): D140.1 D141.3
Net-(D140-Pad6): D140.6 D141.4
Net-(D141-Pad1): D141.1 D142.3
Net-(D141-Pad6): D141.6 D142.4
Net-(D142-Pad1): D142.1 D143.3
Net-(D142-Pad6): D142.6 D143.4
Net-(D143-Pad1): D143.1 D144.3
Net-(D143-Pad6): D143.6 D144.4
Net-(D144-Pad1): D144.1 D145.3
Net-(D144-Pad6): D144.6 D145.4
Net-(D145-Pad1): D145.1 D146.3
Net-(D145-Pad6): D145.6 D146.4
Net-(D146-Pad1): D146.1 D147.3
Net-(D146-Pad6): D146.6 D147.4
Net-(D147-Pad1): D147.1 D148.3